# Altium PCB NURIP.PcbDoc (part 6 of 14)
Units mil, origin at the board's own origin, x right, y up, seen from the top; angles counter-clockwise.
Board outline 7096.64 x 6702.94 mil, 6 copper layers (L1, L2, L3, L4, L5, L6), stack 48.469 mil thick; 305 components, 426 nets, 2172 pads, 1040 vias.
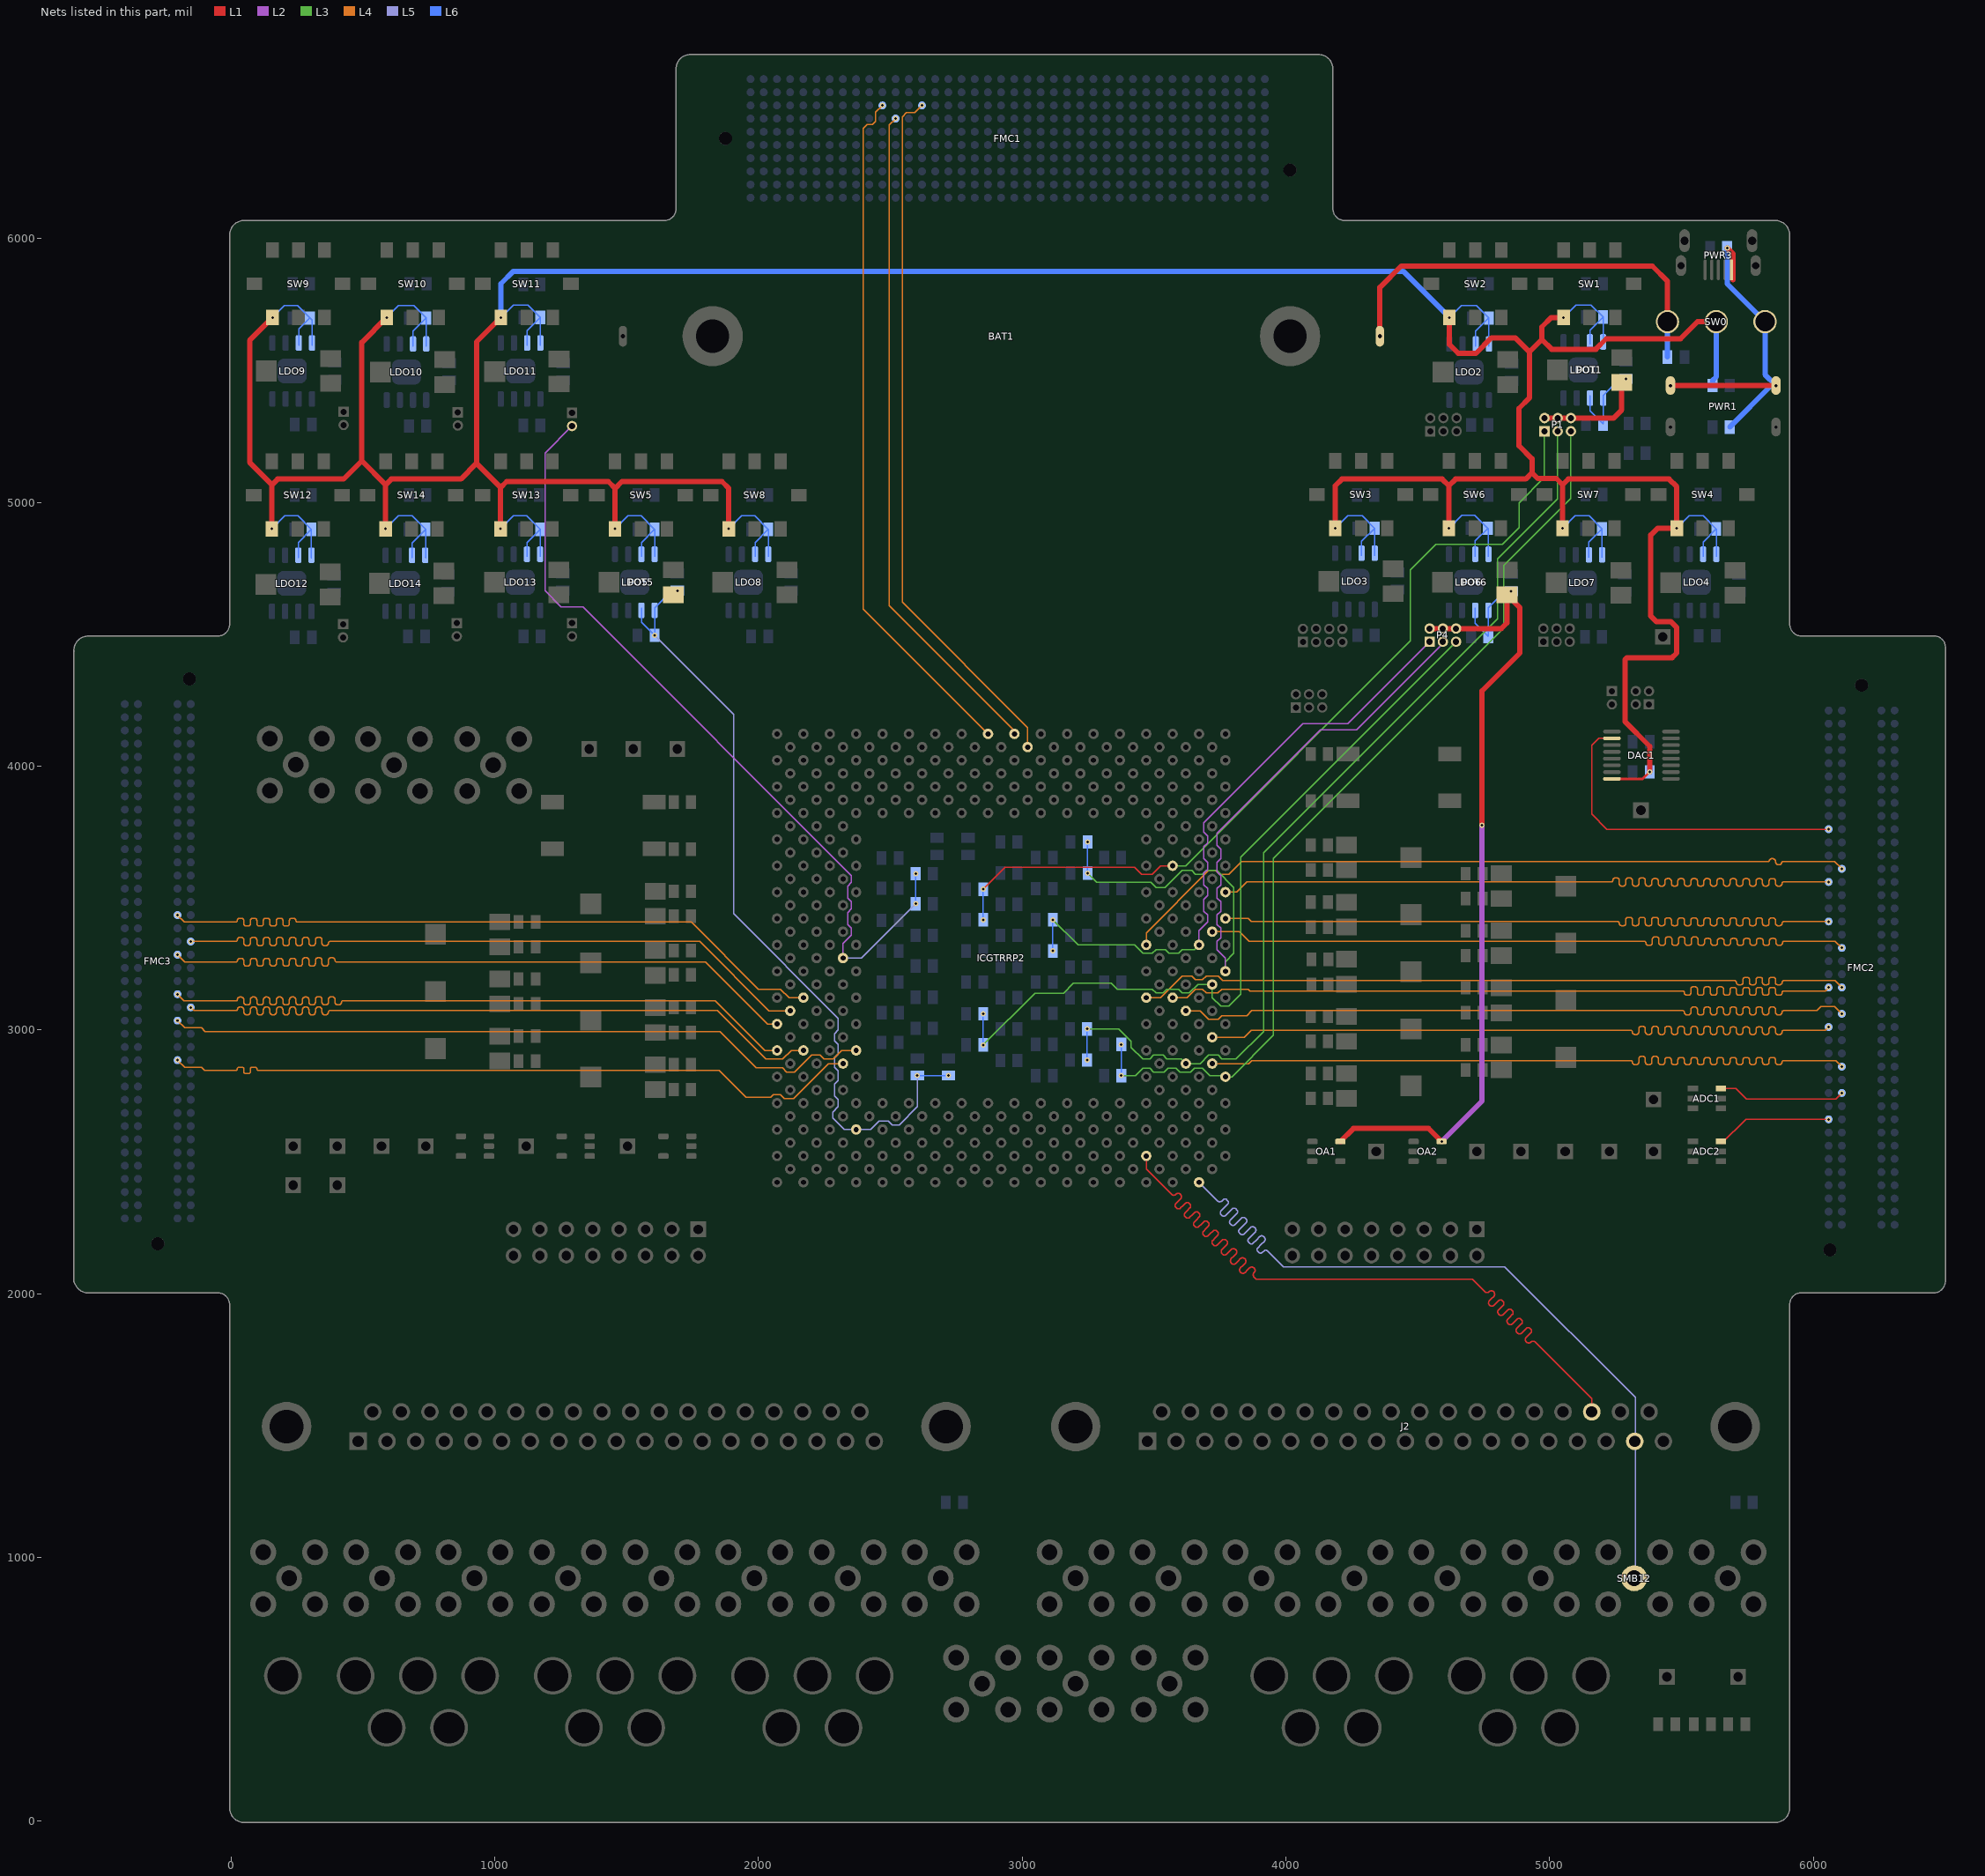
[diagram p10: the nets of this part, all layers, seen from the top]

## Via types
v1: diameter 20, hole 10, L1 to L6, tented both sides, 908 vias
v2: diameter 19.68, hole 7.87, L1 to L6, 126 vias
v3: diameter 196.85, hole 118.11, L1 to L6, 6 vias

## Nets (pads, with @x,y where several pads share a name; then routed paths per layer and width w, separated by ;. In a path a pad name is that pad's centre, name@x,y a point inside that pad or via, vN(x,y) a via of type N, cw(c..) or ccw(c..) an arc to the next point about the centre after c; other vN are vias at no path point) (continued)
3B1: ICGTRRP2.C7 J2.35 | length 3139.1
  L1 w5: ICGTRRP2.C7@3470.71,2522.2 3470.71,2472.2 3565.94,2376.97 3566.82,2376.1 ccw(c3574.67,2383.95) 3582.53,2376.1 3583.52,2377.09 cw(c3591.38,2369.24) 3599.23,2377.09 3600.98,2375.34 cw(c3593.12,2367.49) 3600.98,2359.63 3592.13,2350.79 3583.28,2341.94 ccw(c3591.13,2334.08) 3583.28,2326.23 3585.02,2324.48 ccw(c3592.88,2332.34) 3600.73,2324.48 3609.58,2333.33 3618.43,2342.18 cw(c3626.29,2334.33) 3634.14,2342.18 3635.89,2340.43 cw(c3628.03,2332.58) 3635.89,2324.72 3627.04,2315.88 3618.19,2307.03 ccw(c3626.04,2299.17) 3618.19,2291.32 3619.93,2289.57 ccw(c3627.79,2297.43) 3635.64,2289.57 3644.49,2298.42 3653.34,2307.27 cw(c3661.2,2299.42) 3669.05,2307.27 3670.8,2305.52 cw(c3662.94,2297.67) 3670.8,2289.82 3661.95,2280.97 3653.1,2272.12 ccw(c3660.95,2264.26) 3653.1,2256.41 3654.84,2254.66 ccw(c3662.7,2262.52) 3670.55,2254.66 3679.4,2263.51 3688.25,2272.36 cw(c3696.11,2264.51) 3703.96,2272.36 3705.71,2270.61 cw(c3697.85,2262.76) 3705.71,2254.91 3696.86,2246.06 3688.01,2237.21 ccw(c3695.86,2229.35) 3688.01,2221.5 3689.75,2219.75 ccw(c3697.61,2227.61) 3705.46,2219.75 3714.31,2228.6 3723.16,2237.45 cw(c3731.02,2229.6) 3738.87,2237.45 3740.62,2235.7 cw(c3732.76,2227.85) 3740.62,2220 3731.77,2211.15 3722.92,2202.3 ccw(c3730.77,2194.44) 3722.92,2186.59 3724.66,2184.84 ccw(c3732.52,2192.7) 3740.37,2184.84 3749.22,2193.69 3758.07,2202.54 cw(c3765.92,2194.69) 3773.78,2202.54 3775.53,2200.79 cw(c3767.67,2192.94) 3775.53,2185.09 3766.68,2176.24 3757.83,2167.39 ccw(c3765.68,2159.53) 3757.83,2151.68 3759.57,2149.93 ccw(c3767.43,2157.79) 3775.28,2149.93 3784.13,2158.78 3792.98,2167.63 cw(c3800.83,2159.78) 3808.69,2167.63 3810.44,2165.89 cw(c3802.58,2158.03) 3810.43,2150.18 3801.59,2141.33 3792.74,2132.48 ccw(c3800.59,2124.62) 3792.74,2116.77 3794.48,2115.02 ccw(c3802.34,2122.88) 3810.19,2115.02 3819.04,2123.87 3827.89,2132.72 cw(c3835.74,2124.87) 3843.6,2132.72 3845.34,2130.98 cw(c3837.49,2123.12) 3845.34,2115.27 3836.5,2106.42 3827.65,2097.57 ccw(c3835.5,2089.71) 3827.65,2081.86 3829.39,2080.11 ccw(c3837.25,2087.97) 3845.1,2080.11 3853.95,2088.96 3862.8,2097.81 cw(c3870.65,2089.96) 3878.51,2097.81 3880.25,2096.07 cw(c3872.4,2088.21) 3880.25,2080.36 3879.26,2079.36 ccw(c3887.12,2071.51) 3879.26,2063.65 3887.8,2055.12 3893.7,2055.12 4706.69,2055.12 4753.94,2007.87 4754.81,2007 ccw(c4762.66,2014.86) 4770.52,2007 4771.18,2007.66 cw(c4779.03,1999.8) 4786.89,2007.66 4788.63,2005.91 cw(c4780.78,1998.06) 4788.63,1990.2 4780.12,1981.69 4771.61,1973.18 ccw(c4779.46,1965.33) 4771.61,1957.47 4773.35,1955.73 ccw(c4781.21,1963.58) 4789.06,1955.73 4797.57,1964.24 4806.09,1972.75 cw(c4813.94,1964.89) 4821.8,1972.75 4823.54,1971 cw(c4815.69,1963.15) 4823.54,1955.29 4815.03,1946.78 4806.52,1938.27 ccw(c4814.37,1930.42) 4806.52,1922.56 4808.26,1920.82 ccw(c4816.12,1928.67) 4823.97,1920.82 4832.48,1929.33 4841,1937.84 cw(c4848.85,1929.98) 4856.71,1937.84 4858.45,1936.09 cw(c4850.6,1928.24) 4858.45,1920.38 4849.94,1911.87 4841.43,1903.36 ccw(c4849.28,1895.51) 4841.43,1887.65 4843.17,1885.91 ccw(c4851.03,1893.76) 4858.88,1885.91 4867.39,1894.42 4875.91,1902.93 cw(c4883.76,1895.07) 4891.61,1902.93 4893.36,1901.18 cw(c4885.51,1893.33) 4893.36,1885.47 4884.85,1876.96 4876.34,1868.45 ccw(c4884.19,1860.6) 4876.34,1852.74 4878.08,1851 ccw(c4885.94,1858.85) 4893.79,1851 4902.3,1859.51 4910.82,1868.02 cw(c4918.67,1860.16) 4926.52,1868.02 4928.27,1866.27 cw(c4920.42,1858.42) 4928.27,1850.56 4919.76,1842.05 4911.25,1833.54 ccw(c4919.1,1825.69) 4911.25,1817.83 4912.99,1816.09 ccw(c4920.85,1823.94) 4928.7,1816.09 4929.36,1816.74 cw(c4937.21,1808.89) 4945.07,1816.74 5048.23,1713.58 5159.82,1601.99 J2.35@5159.82,1551.97
3B2: ICGTRRP2.A3 J2.18 SMB12.1 | length 3136.7
  L5 w5: ICGTRRP2.A3@3670.71,2422.2 3740.55,2352.36 3742.3,2350.62 ccw(c3749.28,2357.6) 3756.26,2350.62 3761.78,2356.14 cw(c3768.77,2349.16) 3775.75,2356.14 3779.24,2352.65 cw(c3772.26,2345.67) 3779.24,2338.69 3766.73,2326.18 3754.23,2313.67 ccw(c3761.21,2306.69) 3754.23,2299.71 3757.72,2296.22 ccw(c3764.7,2303.2) 3771.68,2296.22 3784.19,2308.72 3796.69,2321.23 cw(c3803.68,2314.25) 3810.66,2321.23 3814.15,2317.74 cw(c3807.17,2310.76) 3814.15,2303.78 3801.64,2291.27 3789.14,2278.76 ccw(c3796.12,2271.78) 3789.14,2264.8 3792.63,2261.31 ccw(c3799.61,2268.29) 3806.59,2261.31 3819.1,2273.82 3831.6,2286.32 cw(c3838.59,2279.34) 3845.57,2286.32 3849.06,2282.83 cw(c3842.08,2275.85) 3849.06,2268.87 3836.55,2256.36 3824.05,2243.85 ccw(c3831.03,2236.87) 3824.05,2229.89 3827.54,2226.4 ccw(c3834.52,2233.38) 3841.5,2226.4 3854.01,2238.91 3866.51,2251.41 cw(c3873.5,2244.43) 3880.48,2251.41 3883.97,2247.92 cw(c3876.99,2240.94) 3883.97,2233.96 3871.46,2221.45 3858.96,2208.95 ccw(c3865.94,2201.96) 3858.96,2194.98 3862.45,2191.49 ccw(c3869.43,2198.47) 3876.41,2191.49 3888.92,2204 3901.42,2216.5 cw(c3908.41,2209.52) 3915.39,2216.5 3918.88,2213.01 cw(c3911.9,2206.03) 3918.88,2199.05 3906.37,2186.54 3893.87,2174.04 ccw(c3900.85,2167.05) 3893.87,2160.07 3897.36,2156.58 ccw(c3904.34,2163.56) 3911.32,2156.58 3916.85,2162.1 cw(c3923.83,2155.12) 3930.81,2162.1 3969.69,2123.23 3990.85,2102.07 4829.04,2102.07 5324.8,1606.3 5324.8,925.2 SMB12.1@5320.87,921.26
3p3: C21.1 C22.1 LDO6.1 LDO6.2 OA1.5 OA2.5 P4.2 P4.4 P4.6 POT6.3 | length 3398.9
  L1 w20: OA1.5@4206.69,2576.77 4255.91,2625.98 4541.34,2625.98 v1(4590.55,2576.77) ; P4.2@4545.28,4521.65 P4.4@4595.28,4521.65 P4.6@4645.28,4521.65 4816.93,4521.65 4838.58,4543.31 POT6.3@4838.58,4649.61 4887.8,4600.39 4887.8,4429.13 4744.09,4285.43 v1(4744.09,3775.59)
  L2 w20: v1(4590.55,2576.77) 4744.09,2730.31 v1(4744.09,3775.59)
  L6 w5: LDO6.2@4717.91,4600.39 4717.91,4542.32 4767.91,4492.32 4767.91,4600.39 4830.91,4663.39 v1(4854.33,4663.39)
3p3_A: C53.1 C54.1 ICGTRRP2.T2 P4.5 | length 2988.8
  L3 w5: v1(2852.36,2942.91) 3048.84,3139.39 3156.67,3139.39 3194.44,3177.17 3338.58,3177.17 3361.36,3154.39 3493.01,3154.39 3507.38,3140.02 3534.04,3140.02 3548.41,3154.39 3593.01,3154.39 3607.38,3140.02 3634.04,3140.02 3666.23,3172.2 ICGTRRP2.T2@3720.71,3172.2 3720.71,3122.72 3753.41,3090.02 3784.04,3090.02 3828.74,3134.72 3828.74,3655.12 P4.5@4645.28,4471.65
  L6 w5: v1(2852.36,2942.91) v1(2852.36,3061.02)
3p3_B: C55.1 C56.1 ICGTRRP2.W3 P4.1 | length 2409.9
  L2 w5: ICGTRRP2.W3@3670.71,3322.2 3670.71,3376.69 3702.89,3408.87 3702.89,3435.54 3688.52,3449.91 3688.52,3494.5 3702.89,3508.87 3702.89,3535.54 3688.52,3549.91 3688.52,3594.5 3702.89,3608.87 3702.89,3635.54 3688.52,3649.91 3688.52,3694.5 3702.89,3708.87 3702.89,3735.54 3688.52,3749.91 3688.52,3785.54 4064.4,4161.42 4235.04,4161.42 P4.1@4545.28,4471.65
  L3 w5: v1(3116.14,3417.32) 3211.75,3321.71 3425.68,3321.71 3457.38,3290.02 3493.01,3290.02 3507.38,3304.39 3543.01,3304.39 3557.38,3290.02 3593.01,3290.02 3607.38,3304.39 3652.89,3304.39 ICGTRRP2.W3@3670.71,3322.2
  L6 w5: v1(3116.14,3299.21) v1(3116.14,3417.32)
3p3_C: C57.1 C58.1 ICGTRRP2.U1 P4.3 | length 2837
  L2 w5: ICGTRRP2.U1@3770.71,3222.2 3770.71,3272.57 3738.52,3304.76 3738.52,3335.54 3752.89,3349.91 3752.89,3385.54 3738.52,3399.91 3738.52,3435.54 3752.89,3449.91 3752.89,3485.54 3738.52,3499.91 3738.52,3535.54 3752.89,3549.91 3752.89,3585.54 3738.52,3599.91 3738.52,3635.54 3752.89,3649.91 3752.89,3685.54 3738.52,3699.91 3738.52,3744.43 4131.89,4137.8 4268.47,4137.8 4595.28,4464.61 P4.3@4595.28,4471.65
  L3 w5: v1(3248.03,3594.49) 3283.46,3559.06 3488.34,3559.06 3507.38,3540.02 3542.04,3540.02 3606.41,3604.39 3643.01,3604.39 3657.38,3590.02 3684.04,3590.02 3698.41,3604.39 3738.13,3604.39 3802.89,3539.63 3802.89,3290.02 3770.71,3257.83 ICGTRRP2.U1@3770.71,3222.2
  L6 w5: v1(3248.03,3594.49) v1(3248.03,3712.6)
3p3_D: C80.1 C81.1 ICGTRRP2.V30 P8.2 | length 3101.7
  L2 w5: P8.2@1293.31,5289.37 1190.94,5187.01 1190.94,4664.86 1252.02,4603.78 1334.65,4603.78 2352.89,3585.54 2352.89,3558.87 2338.52,3544.5 2338.52,3499.91 2352.89,3485.54 2352.89,3458.87 2338.52,3444.5 2338.52,3399.91 2352.89,3385.54 2352.89,3358.87 2320.71,3326.69 ICGTRRP2.V30@2320.71,3272.2
  L5 w5: ICGTRRP2.V30@2320.71,3272.2 2390.32,3272.2 v1(2596.46,3478.35)
  L6 w5: v1(2596.46,3478.35) v1(2596.46,3592.52)
3p3_PAD: C18.1 C19.1 C51.1 C52.1 ICGTRRP2.E29 LDO5.1 LDO5.2 POT5.3 | length 3129.5
  L5 w5: v1@1606.3,4496.06 1905.51,4196.85 1905.51,3440.94 2302.89,3043.56 2302.89,2999.91 2288.52,2985.54 2288.52,2958.87 2302.89,2944.5 2302.89,2908.87 2288.52,2894.5 2288.52,2858.87 2302.89,2844.5 2302.89,2808.8 2288.52,2794.43 2288.52,2749.91 2302.89,2735.54 2302.89,2708.87 2281.5,2687.48 2281.5,2665.9 2325.19,2622.2 ICGTRRP2.E29@2370.71,2622.2 2425.19,2622.2 2457.38,2654.39 2493.01,2654.39 2507.38,2640.02 2534.04,2640.02 2602.89,2708.87 2602.89,2826.24 v1(2602.36,2826.77)
  L6 w5: LDO5.2@1556.5,4600.39 1556.5,4545.87 C18.1@1606.3,4496.06 v1(1606.5,4496.26) LDO5.1@1606.5,4590.55 1606.5,4600.39 1671.46,4665.35 v1(1692.91,4665.35) ; v1(2602.36,2826.77) v1(2720.47,2826.77)
5V: C4.1 C5.1 C8.1 C11.1 C14.1 C17.1 C20.1 C23.1 C26.1 C67.1 C72.1 C77.1 C82.1 C87.1 C94.1 C123.1 DAC1.8 LDO1.7 LDO1.8 LDO2.7 LDO2.8 LDO3.7 LDO3.8 LDO4.7 LDO4.8 LDO5.7 LDO5.8 LDO6.7 LDO6.8 LDO7.7 LDO7.8 LDO8.7 LDO8.8 LDO9.7 LDO9.8 LDO10.7 LDO10.8 LDO11.7 LDO11.8 LDO12.7 LDO12.8 LDO13.7 LDO13.8 LDO14.7 LDO14.8 SW0.2 SW1.3 SW2.3 SW3.3 SW4.3 SW5.3 SW6.3 SW7.3 SW8.3 SW9.3 SW10.3 SW11.3 SW12.3 SW13.3 SW14.3 | length 19938
  L1 w10: DAC1.8@5236.22,3951.77 5353.35,3951.77 v1(5379.92,3978.35)
  L1 w20: v1(155.51,4899.61) 155.51,5066.93 ; v1(157.48,5700.79) 70.87,5614.17 70.87,5151.57 155.51,5066.93 ; v1(586.61,4899.61) 586.61,5066.93 ; v1(590.55,5700.79) 496.06,5606.3 496.06,5157.48 ; v1(1022.64,4899.61) 1022.64,5056.1 ; v1(1023.62,5700.79) 931.1,5608.27 931.1,5147.64 ; v1(1456.69,4899.61) 1456.69,5053.15 ; v1(1887.8,4899.61) 1887.8,5053.15 1862.2,5078.74 1482.28,5078.74 1456.69,5053.15 ; v1(4187.01,4901.57) 4187.01,5062.99 4212.6,5088.58 4592.52,5088.58 4618.11,5062.99 ; v1(4618.11,4901.57) 4618.11,5062.99 ; v1(4620.08,5700.79) 4620.08,5598.43 4653.54,5564.96 4720.47,5564.96 4779.53,5624.02 4870.08,5624.02 4923.23,5570.87 4923.23,5395.59 4883.86,5356.22 4883.86,5214.57 4933.07,5165.35 4933.07,5112.2 ; 4929.13,5576.77 4970.47,5618.11 ; v1(5049.21,4901.57) 5049.21,5066.93 ; v1(5053.15,5700.79) 5005.91,5700.79 4970.47,5665.35 4970.47,5618.11 ; v1(5379.92,3978.35) 5379.92,4074.8 5285.43,4169.29 5285.43,4403.54 5293.31,4411.42 5464.57,4411.42 5482.28,4429.13 5482.28,4525.59 5460.63,4547.24 5405.51,4547.24 5383.86,4568.9 5383.86,4875.98 5409.45,4901.57 v1(5482.28,4901.57) 5482.28,5059.06 5452.76,5088.58 5070.87,5088.58 5049.21,5066.93 ; SW0.2@5631.89,5685.04 5561.02,5685.04 5496.06,5620.08 5214.57,5620.08 5175.2,5580.71 5007.87,5580.71 4970.47,5618.11 ; 155.51,5066.93 177.17,5088.58 427.17,5088.58 496.06,5157.48 ; 496.06,5157.48 586.61,5066.93 ; 586.61,5066.93 608.27,5088.58 872.05,5088.58 931.1,5147.64 ; 931.1,5147.64 1022.64,5056.1 ; 1022.64,5056.1 1045.28,5078.74 1431.1,5078.74 1456.69,5053.15 ; 4618.11,5062.99 4643.7,5088.58 4909.45,5088.58 4933.07,5112.2 ; 4933.07,5112.2 4954.72,5090.55 5025.59,5090.55 5049.21,5066.93
  L6 w5: v1(155.51,4899.61) 204.72,4948.82 253.94,4948.82 C82.1@305.12,4897.64 ; v1(157.48,5700.79) 202.76,5746.06 251.97,5746.06 C67.1@299.21,5698.82 ; LDO12.7@255.32,4789.37 255.32,4847.83 C82.1@305.12,4897.64 ; LDO9.7@257.28,5594.49 257.28,5656.89 C67.1@299.21,5698.82 ; LDO12.8@305.32,4789.37 305.12,4789.57 C82.1@305.12,4897.64 ; LDO9.8@307.28,5594.49 307.28,5690.75 C67.1@299.21,5698.82 ; v1(586.61,4899.61) 635.83,4948.82 687.01,4948.82 C94.1@738.19,4897.64 ; v1(590.55,5700.79) 635.83,5746.06 692.91,5746.06 C72.1@740.16,5698.82 ; LDO14.7@686.42,4789.37 686.42,4845.87 C94.1@738.19,4897.64 ; LDO10.7@690.35,5590.55 690.35,5649.02 C72.1@740.16,5698.82 ; LDO14.8@736.42,4789.37 738.19,4791.14 C94.1@738.19,4897.64 ; LDO10.8@740.35,5590.55 740.16,5590.75 C72.1@740.16,5698.82 ; v1(1022.64,4899.61) 1071.85,4948.82 1121.06,4948.82 C87.1@1172.24,4897.64 ; v1(1023.62,5700.79) 1070.87,5748.03 1125.98,5748.03 C77.1@1173.23,5700.79 ; LDO13.7@1122.44,4793.31 1122.44,4847.83 C87.1@1172.24,4897.64 ; LDO11.7@1123.23,5594.49 1123.23,5650.79 C77.1@1173.23,5700.79 ; LDO13.8@1172.44,4793.31 1172.44,4897.44 C87.1@1172.24,4897.64 ; LDO11.8@1173.23,5594.49 C77.1@1173.23,5700.79 ; v1(1456.69,4899.61) 1505.91,4948.82 1555.12,4948.82 C17.1@1606.3,4897.64 ; LDO5.7@1556.5,4793.31 1556.5,4847.83 C17.1@1606.3,4897.64 ; LDO5.8@1606.5,4793.31 1606.5,4897.44 C17.1@1606.3,4897.64 ; v1(1887.8,4899.61) 1937.01,4948.82 1986.22,4948.82 C26.1@2037.4,4897.64 ; LDO8.7@1987.6,4793.31 1987.6,4847.83 C26.1@2037.4,4897.64 ; LDO8.8@2037.6,4793.31 2037.6,4897.44 C26.1@2037.4,4897.64 ; v1(4187.01,4901.57) 4234.25,4948.82 4289.37,4948.82 C11.1@4336.61,4901.57 ; LDO3.7@4286.81,4797.24 4286.81,4851.77 C11.1@4336.61,4901.57 ; LDO3.8@4336.81,4797.24 4336.81,4901.38 C11.1@4336.61,4901.57 ; v1(4618.11,4901.57) 4667.32,4950.79 4716.54,4950.79 C20.1@4765.75,4901.57 ; v1(4620.08,5700.79) 4665.35,5746.06 4722.44,5746.06 C8.1@4769.69,5698.82 ; LDO6.7@4717.91,4793.31 4717.91,4853.74 C20.1@4765.75,4901.57 ; LDO2.7@4719.88,5590.55 4719.88,5649.02 C8.1@4769.69,5698.82 ; LDO6.8@4767.91,4793.31 4767.91,4899.41 C20.1@4765.75,4901.57 ; LDO2.8@4769.88,5590.55 4769.88,5698.62 C8.1@4769.69,5698.82 ; v1(5049.21,4901.57) 5096.46,4948.82 5149.61,4948.82 C23.1@5198.82,4899.61 ; v1(5053.15,5700.79) 5100.39,5748.03 5157.48,5748.03 C5.1@5202.76,5702.76 ; LDO7.7@5149.02,4791.34 5149.02,4849.8 C23.1@5198.82,4899.61 ; LDO1.7@5152.95,5598.43 5152.95,5652.95 C5.1@5202.76,5702.76 ; LDO7.8@5199.02,4791.34 5199.02,4899.41 C23.1@5198.82,4899.61 ; LDO1.8@5202.95,5598.43 5202.95,5702.56 C5.1@5202.76,5702.76 ; v1(5482.28,4901.57) 5529.53,4948.82 5582.68,4948.82 C14.1@5631.89,4899.61 ; LDO4.7@5582.28,4793.31 5582.28,4850 C14.1@5631.89,4899.61 ; LDO4.8@5632.28,4793.31 5632.28,4899.21 C14.1@5631.89,4899.61
  L6 w20: v1(1023.62,5700.79) 1023.62,5828.74 1070.87,5875.98 4444.88,5875.98 v1(4620.08,5700.79) ; C4.1@5618.11,5442.91 5618.11,5462.6 5631.89,5476.38 SW0.2@5631.89,5685.04
5V_Battery: BAT1.1 C1.1 SW0.3 | length 1620.1
  L1 w20: BAT1.1@4356.3,5629.92 4356.3,5814.96 4437.01,5895.67 5389.76,5895.67 5446.85,5838.58 SW0.3@5446.85,5685.04
  L6 w20: C1.1@5446.85,5551.18 SW0.3@5446.85,5685.04
5V_PWR: C2.1 C3.1 PWR1.1 PWR3.1 SW0.1 | length 1367.8
  L1 w20: PWR1.1@5458.27,5442.91 PWR1.1@5858.27,5442.91 ; v1(5673.23,5964.57) 5694.88,5942.91 PWR3.1@5694.88,5844.49
  L6 w20: v1(5673.23,5964.57) 5673.23,5828.74 SW0.1@5816.93,5685.04 5816.93,5484.25 PWR1.1@5858.27,5442.91 5840.55,5442.91 C2.1@5683.07,5285.43
AFE_SAMPLES_READ: FMC1.C11 ICGTRRP2.AR19 | length 2620.2
  L4 w5: v1(2470.24,6504.92) 2444.88,6479.57 2444.88,6444.88 2432.42,6432.42 2412.74,6432.42 2397.74,6417.42 2397.74,4595.18 ICGTRRP2.AR19@2870.71,4122.2
AVDD: C6.1 C7.1 LDO1.1 LDO1.2 P1.2 P1.4 P1.6 POT1.3 | length 761.6
  L1 w5: P1.2@4980.31,5318.9 P1.2@4981.5,5318.9
  L1 w20: P1.2@4980.71,5319.69 4981.5,5318.9 5242.13,5318.9 5273.62,5350.39 POT1.3@5273.62,5454.72
  L6 w5: LDO1.2@5152.95,5405.51 5152.95,5347.05 C6.1@5202.76,5297.24 5202.95,5297.44 5202.95,5405.51 5265.94,5468.5 v1(5289.37,5468.5)
AVDD_A: C29.1 C30.1 ICGTRRP2.K4 P1.3 | length 3666.2
  L3 w5: v1(3246.06,3003.94) 3366.14,3003.94 3413.39,2956.69 3413.39,2934.01 3457.38,2890.02 3484.04,2890.02 3498.41,2904.39 3534.04,2904.39 3548.41,2890.02 3602.89,2890.02 ICGTRRP2.K4@3620.71,2872.2 3675.19,2872.2 3707.38,2904.39 3743.01,2904.39 3757.38,2890.02 3811.28,2890.02 3915.35,2994.09 3915.35,3671.26 4803.15,4559.06 4803.15,4785.43 5030.31,5012.6 P1.3@5030.31,5268.9
  L6 w5: v1(3246.06,2885.83) v1(3246.06,3003.94)
AVDD_B: C31.1 C32.1 ICGTRRP2.AE5 P1.1 | length 3300.8
  L1 w5: v1(2852.36,3533.46) 2935.89,3616.99 3426.32,3616.99 3453.29,3590.02 3493.01,3590.02 3525.19,3622.2 ICGTRRP2.AE5@3570.71,3622.2
  L3 w5: ICGTRRP2.AE5@3570.71,3622.2 3620.24,3622.2 4472.44,4474.41 4472.44,4744.09 4568.9,4840.55 4820.87,4840.55 4883.86,4903.54 4883.86,4998.03 4980.31,5094.49 P1.1@4980.31,5268.9
  L6 w5: v1(2852.36,3417.32) v1(2852.36,3533.46)
AVDD_C: C33.1 C34.1 ICGTRRP2.J1 P1.5 | length 3564.6
  L3 w5: v1(3375.98,2826.77) 3429.76,2826.77 3457.38,2854.39 3484.04,2854.39 3498.41,2840.02 3538.52,2840.02 3552.89,2854.39 3584.04,2854.39 3598.41,2840.02 3638.52,2840.02 3652.89,2854.39 3684.04,2854.39 3711.66,2826.77 3766.14,2826.77 ICGTRRP2.J1@3770.71,2822.2 3794.65,2822.2 3952.76,2980.32 3952.76,3649.61 4825.79,4522.64 4825.79,4760.83 5080.31,5015.35 P1.5@5080.31,5268.9
  L6 w5: v1(3375.98,2826.77) v1(3375.98,2944.88)
AWG_STIM_WEN: FMC1.D12 ICGTRRP2.AR17 | length 2539.3
  L4 w5: v1(2520.24,6454.92) 2496.06,6430.75 2496.06,4608.27 2970.71,4133.62 ICGTRRP2.AR17@2970.71,4122.2
C\L\E\A\R\: DAC1.2 FMC2.H10 | length 1270.3
  L1 w5: DAC1.2@5236.22,4105.31 5186.02,4105.31 5159.45,4078.74 5159.45,3818.9 5217.48,3760.87 v1(6058.07,3760.87)
C\L\K_D: FMC3.G13 ICGTRRP2.K30 | length 2696.8
  L4 w5: v1(-202.56,2885.2) -175.06,2857.7 -111.63,2857.7 -100.39,2846.46 18.51,2846.46 ccw(c18.51,2852.1) 24.15,2852.1 cw(c30.32,2852.1) 30.32,2858.27 42.67,2858.27 cw(c42.67,2852.1) 48.84,2852.1 48.84,2840.82 ccw(c55.01,2840.82) 55.01,2834.65 67.35,2834.65 ccw(c67.35,2840.82) 73.52,2840.82 73.52,2852.1 cw(c79.69,2852.1) 79.69,2858.27 92.04,2858.27 cw(c92.04,2852.1) 98.21,2852.1 ccw(c103.85,2852.1) 103.85,2846.46 1850.39,2846.46 1952.76,2744.09 2047.08,2744.09 2057.38,2754.39 2084.04,2754.39 2098.41,2740.02 2134.04,2740.02 2266.23,2872.2 ICGTRRP2.K30@2320.71,2872.2
C\S\1: ADC1.6 FMC2.G30 | length 482.2
  L1 w5: ADC1.6@5651.57,2777.56 5706.69,2777.56 5746.06,2738.19 6085.39,2738.19 v1(6108.07,2760.87)
C\S\2: ADC2.6 FMC2.H32 | length 446.2
  L1 w5: ADC2.6@5651.57,2568.35 5744.09,2660.87 v1(6058.07,2660.87) ; ADC2.6@5651.57,2576.77 ADC2.6@5651.57,2578.19
CLK: FMC1.C14 ICGTRRP2.AP16 | length 2679.3
  L4 w5: v1(2620.24,6504.92) 2592.74,6477.42 2560.92,6477.42 2545.28,6461.78 2545.28,4622.05 3020.71,4146.61 ICGTRRP2.AP16@3020.71,4072.2
CLK_ACCUM_D: FMC3.G24 ICGTRRP2.R33 | length 2694.2
  L4 w5: v1(-202.56,3435.2) -176.81,3409.45 19.16,3409.45 ccw(c19.16,3414.45) 24.15,3414.45 cw(c32.79,3414.45) 32.79,3423.09 40.2,3423.09 cw(c40.2,3414.45) 48.84,3414.45 48.84,3402.34 ccw(c57.48,3402.34) 57.48,3393.7 64.88,3393.7 ccw(c64.88,3402.34) 73.52,3402.34 73.52,3414.45 cw(c82.16,3414.45) 82.16,3423.09 89.57,3423.09 cw(c89.57,3414.45) 98.21,3414.45 98.21,3402.34 ccw(c106.85,3402.34) 106.85,3393.7 114.25,3393.7 ccw(c114.25,3402.34) 122.89,3402.34 122.89,3414.45 cw(c131.53,3414.45) 131.53,3423.09 138.94,3423.09 cw(c138.94,3414.45) 147.58,3414.45 147.58,3402.34 ccw(c156.22,3402.34) 156.22,3393.7 163.62,3393.7 ccw(c163.62,3402.34) 172.26,3402.34 172.26,3414.45 cw(c180.9,3414.45) 180.9,3423.09 188.31,3423.09 cw(c188.31,3414.45) 196.95,3414.45 196.95,3402.34 ccw(c205.59,3402.34) 205.59,3393.7 212.99,3393.7 ccw(c212.99,3402.34) 221.63,3402.34 221.63,3414.45 cw(c230.27,3414.45) 230.27,3423.09 237.68,3423.09 cw(c237.68,3414.45) 246.32,3414.45 ccw(c251.32,3414.45) 251.32,3409.45 1745.18,3409.45 2000.24,3154.39 2084.04,3154.39 2116.23,3122.2 ICGTRRP2.R33@2170.71,3122.2